# Altium PCB EBS V3.0.PcbDoc (part 2 of 4)
Units mil, origin at the board's own origin, x right, y up, seen from the top; angles counter-clockwise.
Board outline 4974.69 x 4688.74 mil, 4 copper layers (Top Layer, Internal Plane 1, Internal Plane 2, Bottom Layer), stack 18.2 mil thick; 422 components, 308 nets, 1315 pads, 232 vias.
Unrouted connection lines stored in the file: 1.
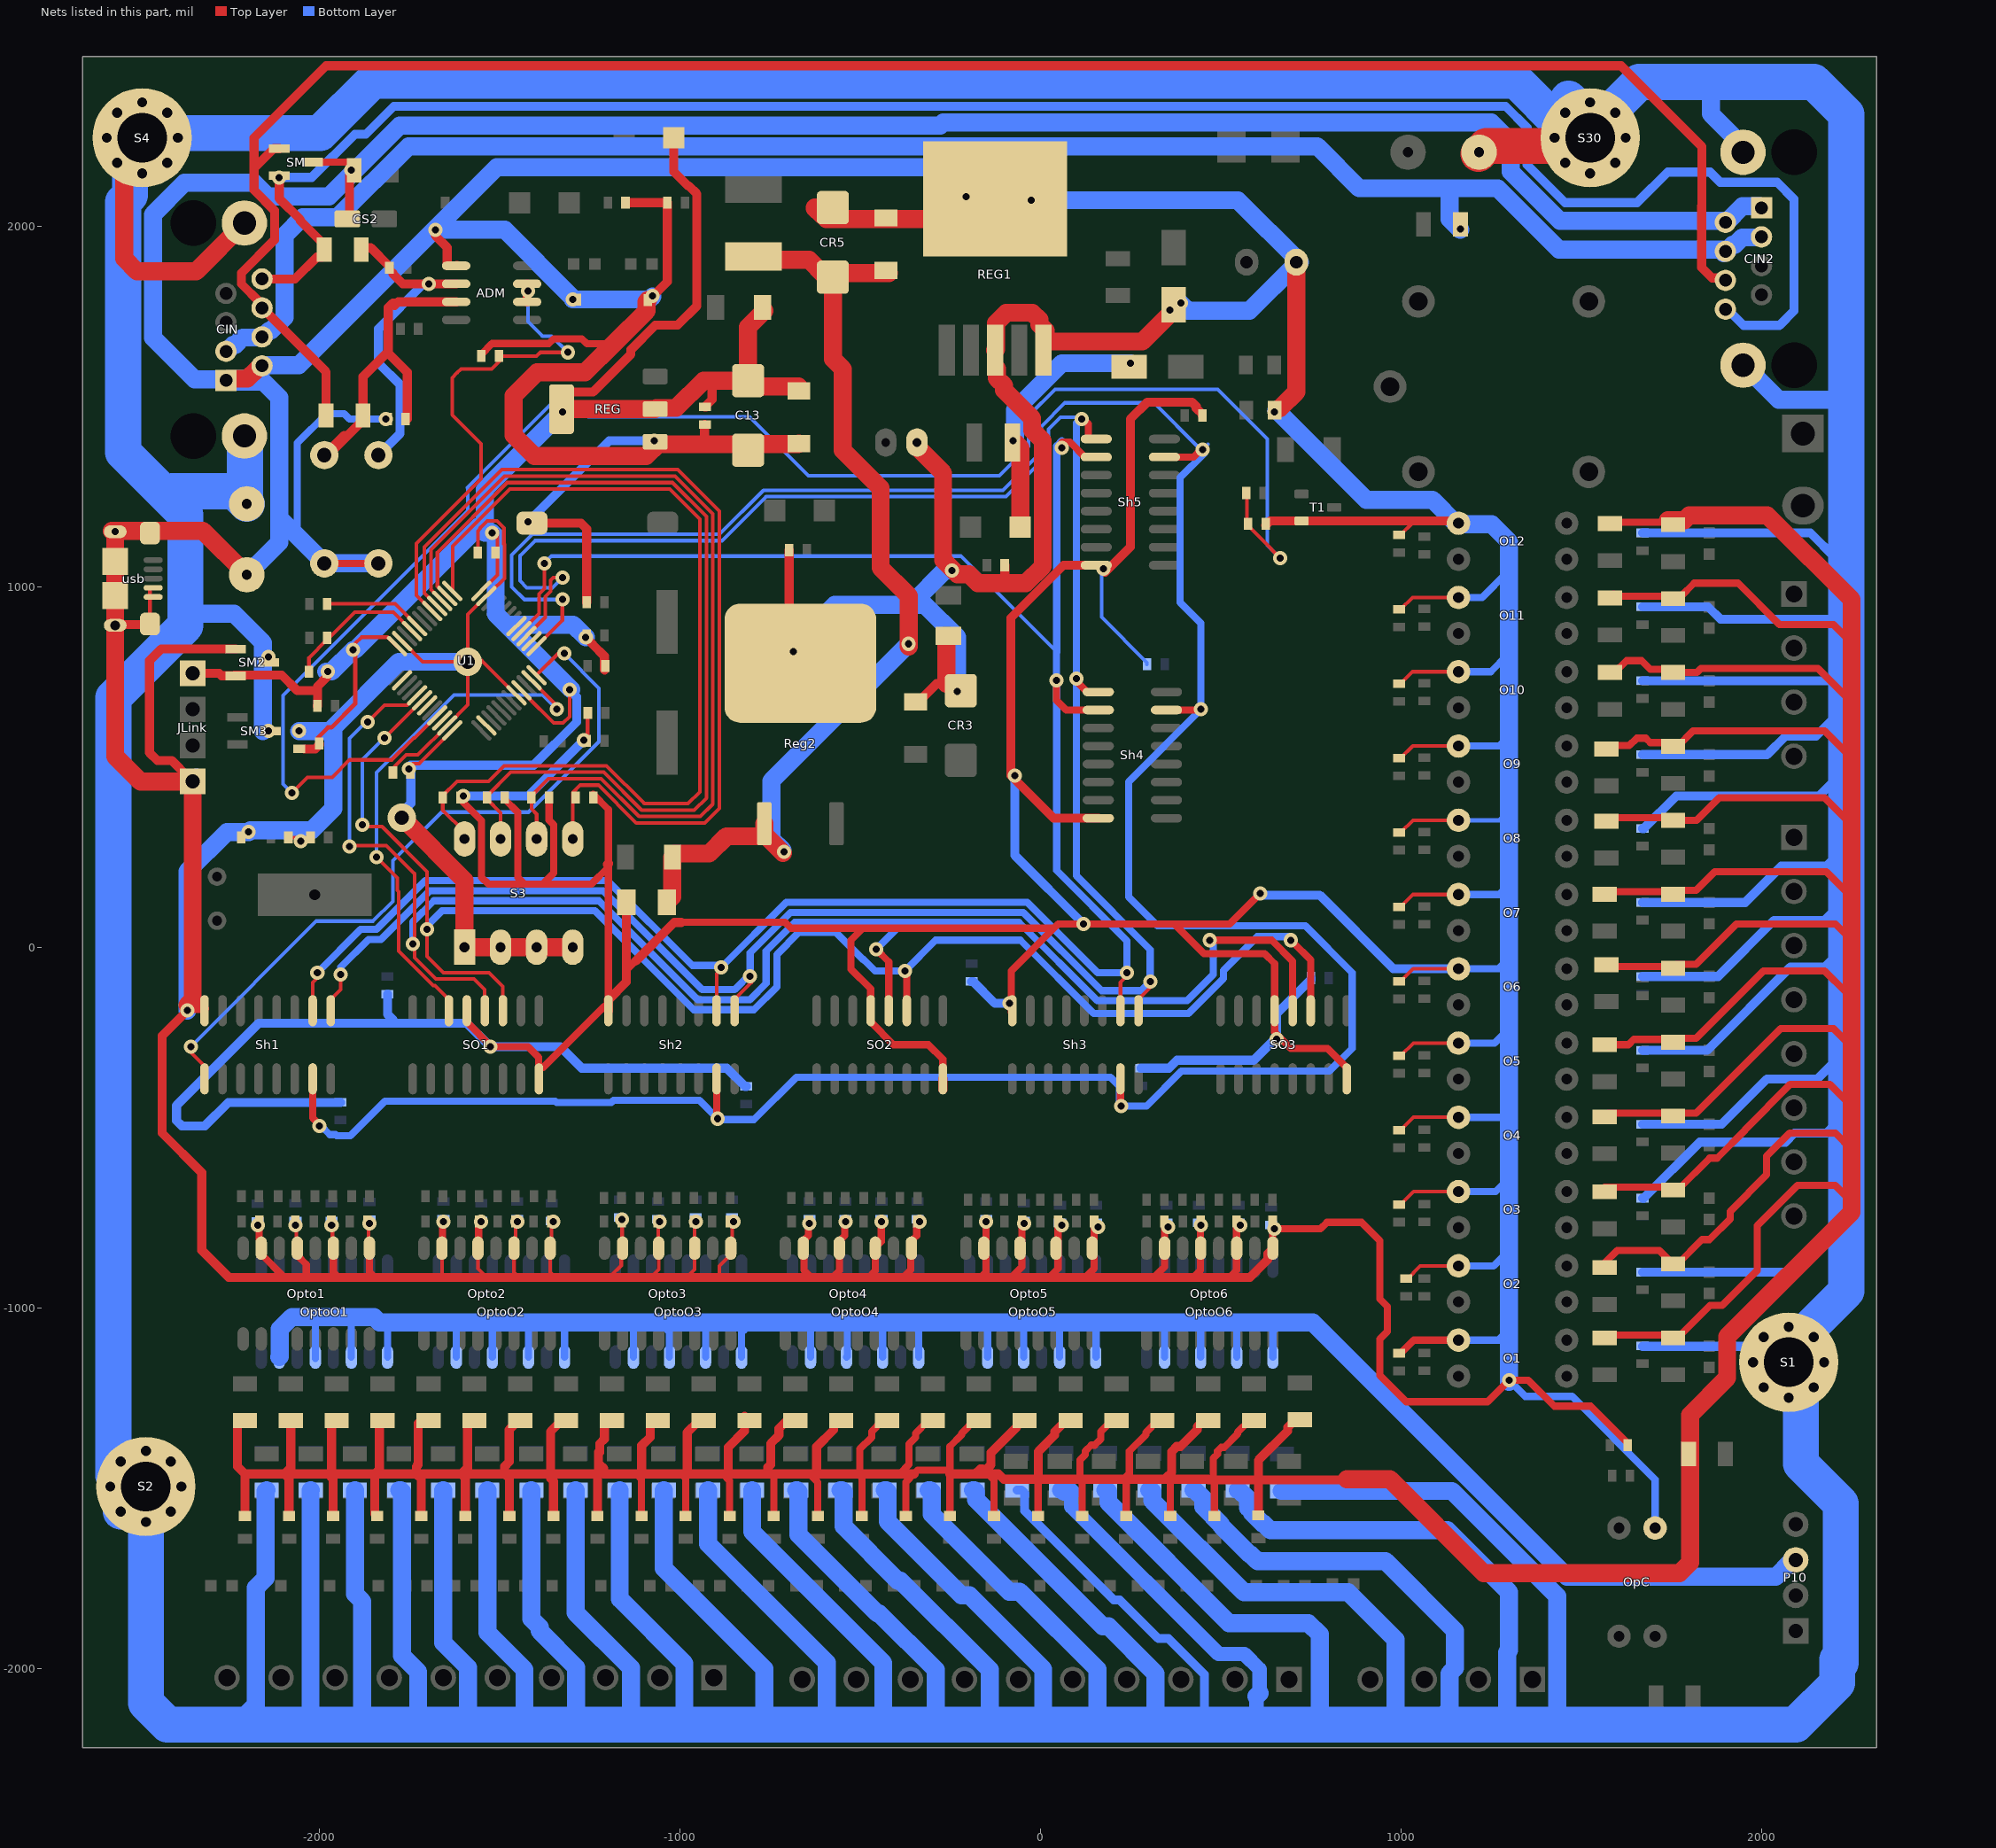
[diagram p4: the nets of this part, all layers, seen from the top]

## Part data (continued)
Y2 Y3: library part XTAL, "XTAL Crystal"
  Y2: Price=20000
  Y3: ComponentLink1Description="Buy Link", ComponentLink1URL=http://www.roboeq.ir/products/detail/%DA%A9%D8%B1%DB%8C%D8%B3%D8%AA%D8%A7%D9%84%2032.768%20%DA%A9%DB%8C%D9%84%D9%88%D9%87%D8%B1%D8%AA%D8%B2/, Price=5900
LH4 LH5: Code_IEC=1005, Code_JEITA=0402, LatestRevisionDate=29-May-2009, LatestRevisionNote="IPC-7351 Footprint Added.", PackageDescription="Chip Inductor", PackageReference=0402-A, Published=8-Jun-2000, Publisher="Altium Limited"
LH20: Code_IEC=1005, Code_JEITA=0805, LatestRevisionDate=29-May-2009, LatestRevisionNote="IPC-7351 Footprint Added.", PackageDescription="Chip Inductor", PackageReference=0402-A, Published=8-Jun-2000, Publisher="Altium Limited"
Sh1 Sh2 Sh3 Sh4 Sh5: Price=16000

## Via types
v1: diameter 39.37, hole 19.68, Top Layer to Bottom Layer, 154 vias
v2: diameter 39.37, hole 19.68, Top Layer to Bottom Layer, tented both sides, 76 vias
v3: diameter 78.74, hole 39.37, Top Layer to Bottom Layer, 1 vias
v4: diameter 78.74, hole 39.37, Top Layer to Bottom Layer, tented both sides, 1 vias

## Nets (pads, with @x,y where several pads share a name; then routed paths per layer and width w, separated by ;. In a path a pad name is that pad's centre, name@x,y a point inside that pad or via, vN(x,y) a via of type N, cw(c..) or ccw(c..) an arc to the next point about the centre after c; other vN are vias at no path point)
3.3v: 3.3V.1 C2.2 C13.1 CPP1.1 CPP2.1 CPP3.1 DP2.1 DZ2.2 JLink.4 R1.1 R5.1 R6.2 R9.2 R10.1 REG.2 REG.4 S3.1 S3.2 S3.3 S3.4 SM2.2 U1.9 U1.24 U1.36 U1.48 | length 6932.9
  Top Layer w10: v1@-1900,825 -1900,841.82 -1881.69,860.12 -1809.42,860.12 -1802.81,853.51 -1801.62,853.51 U1.36@-1783.48,835.37 ; v1@-1740,510 -1721.89,510 U1.48@-1630.37,601.52 ; U1.24@-1549.63,988.48 -1505,1033.11 v1@-1505,1155 ; U1.9@-1423.34,696.66 -1348.7,622.02 -1322.98,622.02 -1305,640 v1(-1305,715)
  Top Layer w12: R5.1@-2004.33,575 -2004.33,579.92 -1975,609.25 -1975,610 -1965,610 -1899.76,675.24 -1899.76,812.36 -1907.41,820 v1@-1910,820
  Top Layer w25: JLink.4@-2355,760 JLink.4@-2350,760 -2277.07,760 -2270.35,753.29 -2216.95,753.29 SM2.2@-2216.26,752.6 ; SM2.2@-2235,755 -2103.13,755 -2060,711.87 -2010.51,711.87 -2003.64,705 ; CPP2.1@-2040,550 -2010.45,550 -1998.99,561.46 R5.1@-1998.99,565 ; R6.2@-2004.33,670 -2003.64,670.69 -2003.64,705 ; R9.2@-1978.61,764.42 -1978.61,749.26 -2003.64,724.23 -2003.64,705 ; REG.4@-1327.45,1492.62 -1327.45,1518.46 -1305.5,1540.41 -1239.44,1540.41 -1135,1644.85 -1135,1657.47 -1066.94,1725.53 -1005.53,1725.53 -951.99,1779.07 -951.99,2089.34 -975.23,2112.59 -977.73,2112.59 -1016.1,2150.96 3.3V.1@-1016.1,2245 ; v1(-1260,860) -1240.8,840.8 -1240.8,839.87 -1208.3,807.37 -1208.3,769.68 R1.1@-1207.61,768.99 ; C2.2@-930,1498.99 -926.46,1498.99 -925.77,1499.68 -925.77,1503.22 -910,1518.99 -910,1560
  Top Layer w50: v3@-1765,355 -1596.29,186.29 S3.1@-1596.29,0.52 S3.2@-1496.29,0.52 S3.3@-1396.29,0.52 S3.4@-1296.29,0.52 ; REG.4@-1327.45,1492.62 REG.2@-1067.61,1492.62 -1064.26,1495.97 -1009.03,1495.97 -933.54,1571.46 -910,1571.46 -823.54,1571.46 -810,1585 -810,1720 DP2.1@-765,1765 ; C13.1@-810,1571.46 -793.54,1555 DZ2.2@-670,1555
  Bottom Layer w25: v3@-1775,360 -1775,369.54 -1745,399.54 v1@-1745,495 ; v1@-1745,505 -1405,505 -1285,625 -1285,695 v1(-1305,715)
  Bottom Layer w50: v1@-1980,765 v1(-1975,765) -1965,765 v1(-1905,825) ; v1@-1900,825 -1557.5,1167.5 -1540,1150 -1540,1270 v1(-1325,1485) ; v1(-1520,1150) -1510,1140 -1510,925 -1480,895 ; v1@-1300,715 -1480,895 ; v1(-1260,860) -1295,895 -1480,895
  other v1: -1750.5,495
  other v3: -1770,360
8V: CR1.1 CR5.1 DP1.2 DZ40.2 LH5.2 Reg2.1 | length 2898.3
  Top Layer w20: CR1.1@-1035.34,125 -1027.69,132.65 DP1.2@-1027.69,242.35
  Top Layer w50: CR1.1@-1030,130 -1020.04,139.96 DP1.2@-1020.04,250 ; DP1.2@-1015,260 -918.04,260 -870,308.04 -770,308.04 Reg2.1@-765,313.04 ; LH5.2@-845,1915.51 LH5.2@-795,1915.51 -785.75,1906.26 -641.26,1906.26 CR5.1@-600,1865 ; Reg2.1@-765,343.04 Reg2.1@-765,313.04 ; v2@-713.48,261.52 Reg2.1@-765,313.04 ; DZ40.2@-420,1870 -563.54,1870 CR5.1@-575,1858.54 -575,1631.78 -547.26,1604.05 -547.26,1378.58 -442.66,1273.97 -442.66,1053.44 -364.25,975.04 v2@-364.25,834.25
  Bottom Layer w50: v2@-715,270 -745,300 -745,461.75 v2(-365,841.75)
  other v2: -710,265
24V: 24V.1 DM6.2 LH20.1 | length 699.9
  Top Layer w50: LH20.1@-70,1400 -55.29,1385.29 24V.1@-55.29,1165
  Bottom Layer w50: v1@-70,1405 -70,1490 60,1620 v1(250,1620)
  other v1: -75,1405
24V_IN: CIN2.3 CIN2.4 CIN.3 CIN.4 F1.1 | length 4896
  Bottom Layer w50: CIN.3@-2257.75,1652.8 -2255.3,1652.8 -2237.39,1670.71 -2231.9,1670.71 -2211.39,1691.22 -2159.48,1691.22 CIN.4@-2157.75,1692.95 -2155.3,1692.95 -2137.39,1710.87 -2131.9,1710.87 -2095.35,1747.42 -2095.35,1974.65 -2045.43,2024.57 -1948.59,2024.57 -1751.78,2221.38 768.62,2221.38 885,2105 1135,2105 ; v2@1165,1990 1135,2020 1135,2105 ; CIN2.4@1890,1930 CIN2.4@1895,1925 ; CIN2.4@1900,1930.16 1902.45,1930.16 1920.36,1948.07 1925.85,1948.07 1946.36,1968.58 1998.58,1968.58 CIN2.3@2000,1970 ; CIN2.4@1900,1935 1438.99,1935 1268.99,2105 1135,2105
  other v2: 1165,1991.75
24V_Panel: F5.2 RJ1.2 RJ2.2 RJ3.2 RJ4.2 RJ5.2 RJ6.2 RJ7.2 RJ8.2 RJ9.2 RJ10.2 RJ11.2 RJ12.2 RJ13.2 RJ14.2 RJ15.2 RJ16.2 RJ17.2 RJ18.2 RJ19.2 RJ20.2 RJ21.2 RJ22.2 RJ23.2 RJ24.2 RR1.1 RR2.1 RR3.1 RR4.1 RR5.1 RR6.1 RR7.1 RR8.1 RR9.1 RR10.1 RR11.1 RR12.1 RR13.1 RR14.1 RR15.1 RR16.1 RR17.1 RR18.1 RR19.1 RR20.1 RR21.1 RR22.1 RR23.1 RR24.1 RR25.1 RR26.1 RR27.1 RR28.1 RR29.1 RR30.1 RR31.1 RR32.1 RR33.1 RR34.1 RR35.1 RR36.1 RU1.1 RU2.1 RU3.1 RU4.1 RU5.1 RU6.1 RU7.1 RU8.1 RU9.1 RU10.1 RU11.1 RU12.1 | length 23561.9
  Top Layer w20: RJ2.2@-2095,-1310 RJ2.2@-2082.83,-1322.17 ; -1120,-1460 -1105.43,-1474.57 RR10.1@-1105.43,-1577.01 ; -990,-1465 -983.26,-1471.74 RR11.1@-983.26,-1577.01 ; -880,-1460 -861.09,-1478.91 RR12.1@-861.09,-1577.01 ; RR13.1@-738.91,-1577.01 -738.91,-1471.09 ; -635,-1465 -616.74,-1483.26 RR14.1@-616.74,-1577.01 ; RR15.1@-494.57,-1577.01 -494.57,-1470.43 -500,-1465 -500,-1460 -500,-1391.02 -467.53,-1358.55 -467.53,-1342.37 -440.16,-1315 RJ15.2@-440,-1315 ; RJ15.2@-433.39,-1308.23 RJ15.2@-433.39,-1303.39 ; -390,-1460 -363.73,-1433.73 -363.73,-1376.93 -345.35,-1358.55 -345.35,-1347.37 -312.98,-1315 RJ16.2@-295,-1315 ; RR16.1@-372.39,-1577.01 -372.39,-1482.39 -350,-1460 -340,-1450 -255,-1450 ; RR17.1@-250.22,-1577.01 -250.22,-1460 ; -250.22,-1445 -250.22,-1383.86 -218.18,-1351.82 -218.18,-1347.37 -180.81,-1310 RJ17.2@-180,-1310 ; -145,-1460 -128.04,-1476.96 RR18.1@-128.04,-1577.01 ; RJ18.2@-63.63,-1320 -55.84,-1312.2 RJ18.2@-43.04,-1312.2 ; RJ18.2@-60,-1310 RJ18.2@-32.45,-1310 ; RR19.1@-5.87,-1577.01 -5.87,-1479.13 ; 110,-1480 110,-1475 110,-1421.35 124.97,-1406.38 124.97,-1396.93 141.64,-1380.25 151.2,-1380.25 167.87,-1363.58 167.87,-1342.84 198.51,-1312.2 RJ20.2@211.3,-1312.2 ; RR20.1@116.3,-1577.01 116.3,-1489.97 ; 230,-1475 247.14,-1457.86 247.14,-1396.93 292.87,-1351.19 292.87,-1345.01 325.68,-1312.2 RJ21.2@338.48,-1312.2 ; RR21.1@238.48,-1577.01 238.48,-1475 ; RR22.1@360.65,-1577.01 360.65,-1489.97 ; 480,-1475 480,-1416.69 491.49,-1405.2 491.49,-1396.93 501.96,-1386.46 510.23,-1386.46 547.87,-1348.81 547.87,-1344.36 580.03,-1312.2 RJ23.2@592.83,-1312.2 ; RR23.1@482.83,-1577.01 482.83,-1482.83 ; RU2.1@1565,-875 1600,-840 1717.2,-840 RR26.1@1755,-877.8 1767.8,-877.8 1835.22,-810.38 1855.93,-810.38 1912.96,-753.34 1912.96,-732.04 2014.21,-630.79 2014.21,-579.21 2078.43,-515 2205,-515 2250,-560 ; RU3.1@1565,-665 1565.37,-664.63 1746.83,-664.63 RR27.1@1755,-672.8 1767.8,-672.8 1856.38,-584.21 1877.09,-584.21 1955,-506.3 1955,-504.61 2079.61,-380 2190,-380 2245,-435 ; RU4.1@1565,-470 1575.37,-459.63 1739.63,-459.63 RR28.1@1745,-465 ; RU5.1@1565,-270 1631.18,-270 1646.18,-255 1747.2,-255 RR29.1@1755,-262.8 ; RU7.1@1565,147.2 1572.48,154.68 RR31.1@1749.68,154.68 ; RU1.1@1570,-1080 1574.68,-1075.32 1747.52,-1075.32 RR25.1@1755,-1082.8 1767.8,-1082.8 1857.44,-993.15 1891.24,-993.15 1988.23,-896.16 1988.23,-771.38 2099.81,-659.81 2204.81,-659.81 2250,-705 ; RU8.1@1570,350 1579.68,359.68 RR32.1@1754.68,359.68 ; RU9.1@1570,550 1579.57,559.57 1633.46,559.57 1653.9,580 1679.41,580 1691.54,567.87 1752.13,567.87 RR33.1@1755,565 ; RU6.1@1580,-45 1587.8,-52.8 1750,-52.8 RR30.1@1755,-57.8 1765.67,-47.13 1818.46,-47.13 1930.59,65 2205,65 2250,20 ; RU10.1@1580,762.27 1592.8,762.27 1625.52,795 1667.47,795 1691.54,770.93 RR34.1@1759.07,770.93 ; RU12.1@1580,1175 1583.68,1178.68 RR36.1@1743.68,1178.68 ; RU11.1@1590,980 1596.32,973.68 1776.84,973.68 1813.16,1010 1935,1010 2050,895 2200,895 2240,855 ; RR28.1@1755,-467.8 1763.3,-459.49 1818.46,-459.49 2052.96,-225 2200,-225 2250,-275 2260,-285 ; RR31.1@1755,147.2 1765.67,157.87 1818.46,157.87 1870.59,210 2180,210 2245,145 ; RR32.1@1755,352.2 1820,352.2 1882.8,415 2175,415 2245,345 2250,345 ; RR33.1@1755,557.2 1767.8,557.2 1810.59,600 2175,600 2240,535 ; RR34.1@1755,762.2 1820.9,762.2 1831.85,773.15 2156.85,773.15 2240,690 ; RR29.1@1762.8,-255 1765.67,-252.13 1818.46,-252.13 2005.59,-65 2175,-65 2235,-125
  Top Layer w25: RR1.1@-2205,-1577.01 -2205,-1460 ; RJ1.2@-2205,-1312.2 -2217.8,-1312.2 -2225.96,-1320.37 -2225.96,-1439.04 -2205,-1460 ; RJ2.2@-2085,-1310 -2077.83,-1317.17 -2077.83,-1442.83 -2095,-1460 ; RR2.1@-2082.83,-1577.01 -2082.83,-1472.17 -2095,-1460 ; RR3.1@-1960.65,-1577.01 -1960.65,-1474.35 -1965,-1470 -1965,-1460 ; RJ3.2@-1960,-1310 -1965,-1315 -1965,-1460 ; RR4.1@-1838.48,-1577.01 -1841.43,-1577.01 -1842.71,-1575.73 -1842.71,-1572.78 -1845,-1570.49 -1845,-1460 ; RJ4.2@-1830,-1315 -1832.32,-1317.32 -1832.32,-1447.32 -1845,-1460 ; RJ5.2@-1720,-1315 -1724.64,-1319.64 -1724.64,-1434.11 -1730,-1439.47 -1730,-1460 ; RR5.1@-1716.3,-1577.01 -1716.3,-1473.7 -1730,-1460 ; RR6.1@-1594.13,-1577.01 -1594.13,-1470.87 -1605,-1460 ; RJ6.2@-1569.13,-1312.2 -1581.93,-1312.2 -1587.97,-1318.25 -1587.97,-1442.97 -1605,-1460 ; RR7.1@-1471.96,-1577.01 -1471.96,-1473.04 -1485,-1460 ; RJ7.2@-1460,-1325 -1472.5,-1337.5 -1472.5,-1426.32 -1485,-1438.82 -1485,-1460 ; RR8.1@-1349.78,-1577.01 -1349.78,-1480.22 -1357.5,-1472.5 -1357.5,-1460 ; RJ8.2@-1330,-1315 -1330.37,-1315 -1335.75,-1320.37 -1335.75,-1320.75 -1357.5,-1342.5 -1357.5,-1460 ; RR9.1@-1227.61,-1577.01 -1227.61,-1467.39 -1235,-1460 ; -1225,-1400 -1225,-1460 -1235,-1460 ; -1221.45,-1434.11 -1210,-1445.56 -1210,-1460 -1120,-1460 -1105,-1460 ; -1221.45,-1400 -1221.45,-1375.89 -1208.57,-1363.02 -1208.57,-1320.37 RJ9.2@-1200.4,-1312.2 ; RJ10.2@-1080,-1315 -1081.4,-1316.4 -1081.4,-1358.02 -1105,-1381.62 -1105,-1460 ; RJ11.2@-950,-1305 -950,-1316.15 -978.72,-1344.87 -978.72,-1453.72 -985,-1460 ; RJ12.2@-820,-1300 -820,-1340.97 -865,-1385.97 -865,-1460 ; RJ13.2@-700,-1310 -724.37,-1334.37 -724.37,-1352.86 -747.25,-1375.73 -747.25,-1434.11 -755,-1441.86 -755,-1460 ; RJ14.2@-565,-1310 -572.7,-1317.7 -572.7,-1338.02 -620,-1385.31 -620,-1460 ; -350,-1460 -390,-1460 -500,-1460 -620,-1460 ; -250.22,-1460 -180,-1460 ; -160,-1446.04 -166.04,-1446.04 -180,-1460 ; -148.31,-1446.04 -136.38,-1434.11 -136.38,-1400.73 -64.01,-1328.36 -64.01,-1320.37 RJ18.2@-63.63,-1320 ; RJ19.2@84.13,-1312.2 71.33,-1312.2 40.37,-1343.17 40.37,-1352.33 -5,-1397.71 -5,-1475 ; 350,-1470 364.37,-1455.63 364.37,-1398.33 378.75,-1383.96 389.09,-1383.96 435.37,-1337.68 435.37,-1329.69 452.86,-1312.2 RJ22.2@465.65,-1312.2 ; RR24.1@605,-1570 605,-1486.43 ; RJ24.2@720,-1310 707.2,-1310 686.1,-1331.1 686.1,-1341.3 605,-1422.4 605,-1476.83 ; 850,-1475 848.17,-1476.83 605,-1476.83 ; -2205,-1460 -2095,-1460 ; -2095,-1460 -1965,-1460 ; -1965,-1460 -1845,-1460 ; -1845,-1460 -1730,-1460 ; -1730,-1460 -1605,-1460 ; -1605,-1460 -1485,-1460 ; -1485,-1460 -1357.5,-1460 ; -1357.5,-1460 -1235,-1460 ; -1105,-1460 -985,-1460 ; -985,-1460 -880,-1460 -865,-1460 ; -865,-1460 -755,-1460 ; -755,-1460 -620,-1460 ; -180,-1460 -145,-1460 -115.99,-1460 -100.99,-1475 -5,-1475 ; -5,-1475 110,-1475 230,-1475 238.48,-1475 465,-1475 466.83,-1476.83 605,-1476.83
  Top Layer w50: 850,-1475 970,-1475 1230,-1735 1772.84,-1735 1802.13,-1705.71 1802.13,-1296.54 1904.73,-1193.93 1904.73,-1079.71 2250,-734.44 2250,-705 2250,-560 2250,-275 2250,20 2250,345 2250,965 2133.43,1081.57 2132.69,1081.57 2016.11,1198.15 1799.72,1198.15 1786.4,1184.82 RR36.1@1740.44,1184.82
485+_Comm: ADM.6 RT2.2 RT3.2 RV1.2 | length 871
  Top Layer w25: RT3.2@-1870,1940 -1856.09,1940 -1804.63,1888.54 RT2.2@-1804.63,1885 ; RV1.2@-1835,1365 RV1.2@-1820.46,1365 ; RT2.2@-1795,1870 -1795,1867 -1768,1840 v1(-1695,1840) ADM.6@-1619.46,1840
  Bottom Layer w25: RV1.2@-1835,1365 -1774.94,1425.06 -1774.94,1559.94 -1835,1620 -1835,1715 v1@-1710,1840
485-_Comm: ADM.7 RT1.1 RT4.2 RV2.2 | length 951.3
  Top Layer w25: RV2.2@-1985,1370.05 RV2.2@-1985,1365 -1930,1420 ; RV2.2@-1970,1375 -1965,1375 -1877.8,1462.2 RT4.2@-1877.8,1475 -1877.8,1582.2 -1810,1650 ; -1807.87,1647.87 -1755,1595 RT1.1@-1755,1465 ; -1807.87,1650 -1807.87,1774.48 -1795.25,1787.11 -1792.75,1787.11 ; -1790,1780 -1780,1790 ADM.7@-1619.46,1790
A11: R7.1 U1.32 | length 275.2
  Top Layer w10: R7.1@-1977.61,952.44 -1789.2,952.44 U1.32@-1727.8,891.04
A12: R8.1 R9.1 U1.33 | length 401.4
  Top Layer w10: R9.1@-2027.61,764.42 -2027.61,803.51 -1977.61,853.51 R8.1@-1977.61,858.43 -1971.57,858.43 -1900.91,929.09 -1793.69,929.09 U1.33@-1741.72,877.12
A15: U1.38
B12: R44.2 S3.8 U1.25 | length 2618
  Top Layer w10: U1.25@-1629.08,985.92 -1629.08,988.48 -1629.08,1112.24 -1470.32,1271 -1026.84,1271 -943.62,1187.79 -943.62,431.38 -976.38,398.62 -1097.79,398.62 -1202.79,503.62 -1486.38,503.62 -1530,460 -1617.19,460 -1656.74,420.45 R44.2@-1656.74,415.53 -1656.74,380.66 -1596.29,320.21 S3.8@-1596.29,300.52
B13: R45.2 S3.7 U1.26 | length 2607.2
  Top Layer w10: U1.26@-1643.95,972.94 -1671.42,1000.41 -1671.42,1095.18 -1477.72,1288.88 -1019.43,1288.88 -925.75,1195.19 -925.75,414.25 -959.25,380.75 -1105.19,380.75 -1210.19,485.75 -1468.47,485.75 -1533.76,420.45 R45.2@-1533.76,415.53 -1533.76,410.61 -1496.29,373.13 S3.7@-1496.29,300.52
B14: R46.2 S3.6 U1.27 | length 2575.6
  Top Layer w10: U1.27@-1658.21,960.64 -1658.21,961.13 -1689.29,992.22 -1689.29,1102.59 -1485.13,1306.75 -1012.03,1306.75 -907.87,1202.6 -907.87,397.13 -942.13,362.87 -1112.6,362.87 -1217.6,467.87 -1363.36,467.87 -1410.79,420.45 R46.2@-1410.79,415.53 -1410.79,383.79 -1396.29,369.3 S3.6@-1396.29,300.52
B15: R47.2 S3.5 U1.28 | length 2559.9
  Top Layer w10: U1.28@-1672.12,946.72 -1672.12,947.21 -1707.16,982.25 -1707.16,1109.99 -1492.53,1324.63 -1004.63,1324.63 -890,1210 -890,385 -930,345 -1120,345 -1225,450 -1275.36,450 -1296.29,429.07 S3.5@-1296.29,300.52
Ca0: U1.46
Ca2: U1.43
ChA: CIN2.8 CIN.8 RT3.1 SM.2 | length 5529.5
  Top Layer w25: CIN.8@-2157.75,1853.58 CIN.8@-2148.53,1853.58 ; CIN.8@-2150,1845 -2150,1845.6 -2142.02,1853.58 -2066.42,1853.58 -2005.96,1914.04 -1993.17,1914.04 -1985,1922.2 RT3.1@-1985,1935 ; SM.2@-2110,2140 v1(-2110,2135) -2110,2076.52 -2051.58,2018.11 -2051.58,2014.38 -1980,1942.8 RT3.1@-1980,1925
  Bottom Layer w25: v1(-2110,2135) -2020,2135 -1900,2255 -1869.81,2255 -1792.35,2332.46 1290.5,2332.46 1349.96,2273 1349.96,2170.04 1455,2065 1655,2065 1740,2150 1857.48,2150 1885.88,2121.59 2043.41,2121.59 2090,2075 2090,1765 2050,1725 1950.26,1725 1913.99,1761.27 1911.27,1761.27 CIN2.8@1910,1760
ChB: CIN2.6 CIN.6 RT4.1 SM.1 | length 5659.2
  Top Layer w25: CIN.6@-2170,1770 -2164.27,1775.73 -2164.27,1789 -2215,1839.73 -2215,1870 -2123.2,1961.8 -2123.2,2043.23 -2180,2100.03 -2180,2160.16 ; CIN.6@-2165,1770 -2154.48,1770 -1980,1595.52 RT4.1@-1980,1475 ; SM.1@-2110,2214.8 -2125.35,2214.8 -2180,2160.16 ; 1834.23,2055.77 1834.23,1885 1862.87,1856.36 1888.64,1856.36 CIN2.6@1900,1845 ; 1835,2035 1835,2220 1610.37,2444.63 -1980.37,2444.63 -2180,2245 -2180,2160.16
"Clock Pin 2": SO1.11 SO2.11 SO3.11 U1.42 | length 4471.3
  Top Layer w10: v1@-1880,335 -1825,335 -1700,210 v1(-1700,50) -1700,-25 -1655,-70 -1527.87,-70 -1489.86,-108.01 SO1.11@-1489.86,-175.51 ; v1(-1818.18,581.23) -1714.37,685.04 U1.42@-1713.88,685.04
  Top Layer w20: SO2.11@-369.93,-190.51 SO2.11@-369.93,-175.51 v1@-369.93,-59.93 ; v1@700,15 750,-35 SO3.11@750,-175.51
  Bottom Layer w10: v1(-1880,340) -1880,520 v1@-1818.47,581.53
  Bottom Layer w20: v1(-1700,50) -1700,60.37 -1659,101.38 -1235.22,101.38 -960.97,-172.87 -793.45,-172.87 -730.29,-109.71 -730.29,-19.48 -669.43,41.38 -566.38,41.38 -490,-35 ; -488.94,-33.94 -457.87,-65 v1(-375,-65) -290,20 -55,20 147.87,-182.87 411.55,-182.87 507.87,-86.55 507.87,-64.17 601.73,29.69 v1@690,29.69
  other v1: 695,20
ClockEn: Sh1.15 Sh2.15 Sh3.15 Sh4.15 Sh5.15 U1.13 | length 8515.1
  Top Layer w10: U1.13@-1396.52,835.37 -1325,906.89 v1(-1325,965)
  Top Layer w20: Sh1.15@-2017.35,-364.49 -2017.35,-472.65 v1@-1995,-495 ; Sh2.15@-897.42,-364.49 -896.72,-365.18 v1@-896.72,-473.28 ; v1@222.51,-440 Sh3.15@222.51,-364.49 ; Sh5.15@344.49,1359.74 425.17,1359.74 v1@445.43,1380 ; Sh4.15@350,658.26 v1@443.26,658.26
  Bottom Layer w10: v1(-1325,965) -1325.43,964.57 -1430.03,964.57 -1465.43,999.97 -1465.43,1088.52 -1408.21,1145.75 -889.53,1145.75 -767.4,1267.87 -103.01,1267.87 3.62,1374.5 3.62,1444.81 68.81,1510 315,1510 440,1385 v1@450,1385 ; v1@452.83,1382.17 465.67,1395
  Bottom Layer w20: v1(-1999.33,-495) -1994.09,-495 -1969.84,-519.25 -1953.86,-519.25 -1950.56,-522.56 -1912.53,-522.56 -1816.67,-426.69 -1344.64,-426.69 -1340.9,-430.43 -1189.75,-430.43 -1183.57,-424.25 -945.08,-424.25 v1(-894.33,-475) -891.77,-477.56 -793.78,-477.56 -676.22,-360 195,-360 220,-385 v1@220,-430 ; v1(225,-440) 295,-440 391.69,-343.31 801.69,-343.31 865,-280 865,-75 ; v1@455,1370 388.11,1303.11 388.11,956.89 445.67,899.33 v1(445.67,660) 245,459.33 245,139.42 324.79,59.63 735.37,59.63 865,-70
  other v1: 450.67,1380
ClockPin: Sh1.2 Sh2.2 Sh3.2 Sh4.2 Sh5.2 U1.16 | length 6558.3
  Top Layer w10: Sh1.2@-2017.35,-175.51 -2017.35,-97.35 v1@-2000,-80 ; U1.16@-1438.28,877.12 -1390,925.4 -1390,980 -1375,995 v1(-1375,1065) ; Sh2.2@-897.42,-175.51 -897.42,-72.42 v1@-880,-55 ; Sh3.2@222.51,-175.51 222.51,-97.49 v1@245,-75